# Allegro board RK_EVB1_RK3576_LP4XD200P132SD6_V12_20240530YWQ.brd (continued)
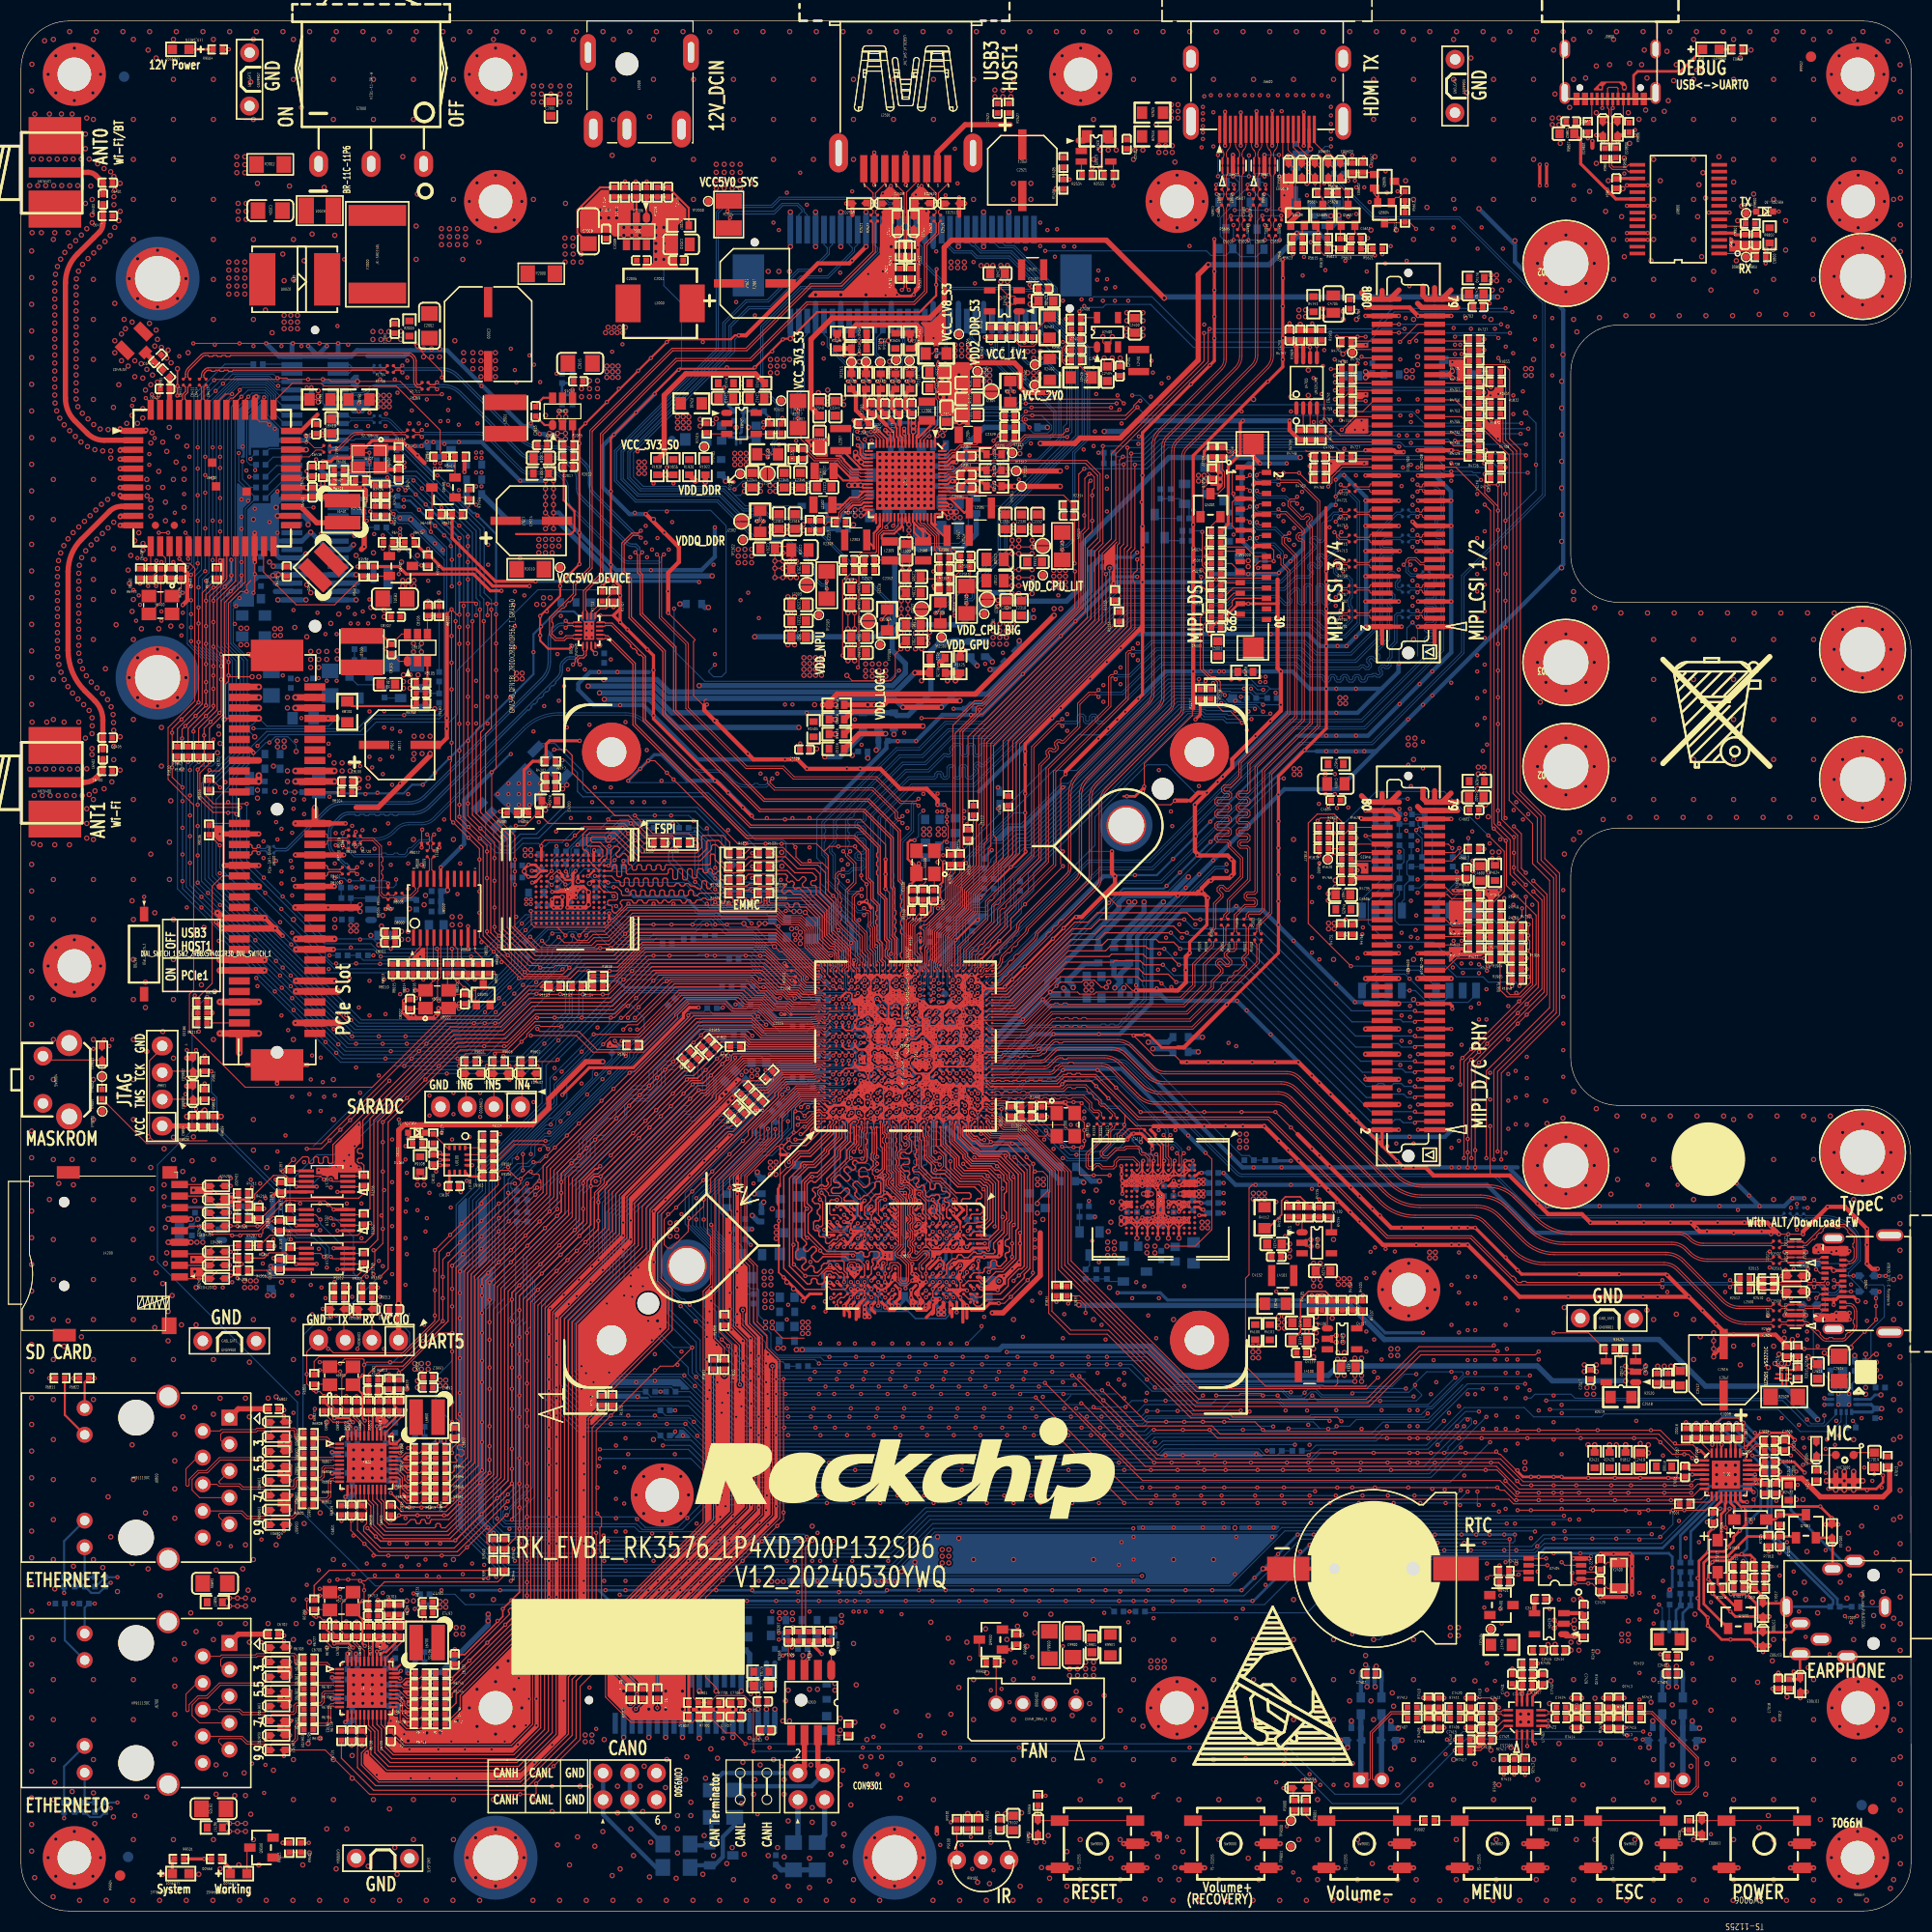
[diagram p0: board, top side]
## Routing (per net, layer and track width the routed paths; a pad name or vN(x,y) marks a point on that pad's centre or on a via; arc(x,y) is an arc through that point) (continued)
  BOTTOM w0.305: v1(106.3,127.07) 103.93,127.07 91.88,115.03 90.41,115.03 89.89,114.51 R1105.1 v1(88.81,114.5) ; R1121.1 91.75,100.33 v1(92.46,101.04) ; v1(133.52,55.06) 129.92,55.06 126.79,58.19 109.19,58.19 108.51,58.87 v1(104.43,58.87) ; v1(86.52,85.62) 86.81,85.91 C1103.1
PMUIO1_VCC: length 264.9
  TOP w0.229: U1000.1U20 v1(86.92,86.85)
  TOP w0.305: R6412.1 37.45,130.34 R6409.1 38.96,129.05 40.2,127.81 43.31,127.81 44.93,126.19 v1(48.43,126.19)
  TOP w0.508: R9100.1 v2(90.16,9.27) ; v2(87.65,114.64) v2(84,114.64)
  L4-SIG w0.178: v1(86.92,86.85) 86.57,87.2 86.57,88.89 86.91,89.23
  L4-SIG w0.305: v1(102.61,138.88) 102.47,138.74 101.24,138.74 100.81,138.31 100.81,135.15 106.3,129.65 v1(106.3,129.38) ; v2(54.01,116.66) 53.97,116.66 53.33,117.29 52.24,117.29 48.34,121.19 48.34,125.08 48.43,125.17 v1(48.43,126.19)
  L4-SIG w0.508: v2(87.65,114.64) 87.65,109.01 91.25,105.4 91.25,98.43 89.52,96.7 89.52,94.55 86.91,91.94 86.91,89.23 ; v2(90.16,9.27) 90.16,13.33 76.75,26.74 76.75,36.39 61.69,51.46 61.69,58.44 59.34,60.79 59.34,70.27 52.12,77.49 52.12,84.57 50.59,86.11 50.59,88.11 49.73,88.97 49.44,88.97 48.7,89.71 48.7,90.9 43.1,96.49 43.1,100.42 44.31,101.63 44.31,106.95 v2(54.01,116.66)
  BOTTOM w0.305: C1106.1 86.89,86.82 v1(86.92,86.85) ; R1139.1 R1138.1 105.85,128.93 v1(106.3,129.38) ; v1(102.61,138.88) R1135.1 R1134.1
  BOTTOM w0.508: v2(87.65,114.64) 88.9,115.9 92.03,115.9 101.89,125.76 R1141.1 101.89,127.96 102.86,128.93 R1139.1 ; v2(84,114.64) 83.15,115.49 61.48,115.49 60.31,116.66 v2(54.01,116.66)
PWM0_CH0_M0_IR: length 170.2
  TOP w0.102: R9101.1 88.81,8.71 v1(88.56,8.45) ; v1(87.41,87.77) U1000.1W22
  L4-SIG w0.102: v1(118.29,114.22) 118.29,82.91 113.77,78.38 113.77,64.9 106.36,57.49 106.36,17.87 96.94,8.45 v1(88.56,8.45)
  BOTTOM w0.102: v1(118.29,114.22) 117.63,114.88 114.95,114.88 114.45,115.39 114.16,115.39 113.96,115.18 110.13,115.18 96.2,101.26 95.53,101.26 93.63,99.37 93.63,96.2 90.78,93.35 C9100.1 90.21,92.99 90.21,92.3 90.05,92.14 87.78,89.86 87.78,88.14 v1(87.41,87.77)
PWM1_CH0_M0_LED: length 28.6
  TOP w0.102: R9502.1 v1(27.42,6.49)
  L4-SIG w0.102: v1(37.51,28.77) 37.51,15.4 28.59,6.49 v1(27.42,6.49)
  BOTTOM w0.102: R1130.2 37.87,29.13 v1(37.51,28.77)
PWM2_CH5_M1_FAN: length 35.7
  TOP w0.102: v1(95.36,26.3) R9902.2 94.28,26.8 Q9900.2 ; R1834.2 v1(98.61,58)
  L4-SIG w0.102: v1(95.36,26.3) 98.61,29.56 v1(98.61,58)
PWRON_L: length 203.3
  TOP w0.102: v1(86.53,140.46) 86.34,140.46 85.99,140.11 U2300.4 ; v1(106.33,143.22) 105.17,142.06 v1(95.69,142.06) ; R9006.1 v1(158.28,7.71)
  L4-SIG w0.102: v1(158.28,7.71) 156.74,7.71 144.9,19.55 144.9,66.28 143.93,67.25 143.93,72.72 144.78,73.56 144.78,104.26 142.09,106.94 142.09,140.89 v1(142.89,141.7)
  BOTTOM w0.102: v1(95.69,142.06) 95.57,141.93 89.76,141.93 89.52,142.18 87.54,142.18 87.11,141.75 C2369.1 86.53,141.17 v1(86.53,140.46) ; v1(106.33,143.22) 107.11,142.44 125.64,142.44 126,142.79 132.53,142.79 133.63,141.7 v1(142.89,141.7)
RESET_L: length 204.7
  TOP w0.102: R9005.1 v1(97.58,10.98) ; U2300.40 83.19,132.06 v1(83.05,131.92) ; v1(101.86,136.22) 101.67,136.02 101.67,131.67 101.15,131.15 101.15,124.05 91.52,114.42 v1(91.31,114.42) 91.31,114.21 89.43,112.33 R1106.2
  L4-SIG w0.102: v1(97.58,10.98) 103.93,17.33 103.93,57 111.11,64.19 111.11,70.95 111.24,71.08 111.24,71.65 111.8,72.21 111.8,78.97 115.36,82.53 115.36,96.46 113.96,97.86 113.96,104.34 115.57,105.95 115.57,111.49 110.14,116.93 110.14,122.02 107.36,124.8 107.36,130.82 101.96,136.22 v1(101.86,136.22) ; v1(83.05,131.92) 83.05,131.31 85.26,129.1 85.26,123.7 87.52,121.44 87.52,119.25 89.45,117.32 89.45,116.28 v1(91.31,114.42)
  BOTTOM w0.102: C2366.1 83.46,131.92 v1(83.05,131.92) ; v1(91.31,114.42) 91.23,114.5 R1105.2
RIN1_ES8388: length 1.6
  TOP w0.203: C7004.1 163.28,44.81 U7000.23
RIN2_ES8388: length 2.8
  TOP w0.102: U7000.21 164.24,43.1 164.24,43.24 165.27,44.27 165.64,44.27 C7006.1
RSET0: length 4.3
  TOP w0.102: R6727.2 28.88,25.84 29.63,25.09 31.12,25.09 31.5,24.71 U6700.39
RSET1: length 4.3
  TOP w0.102: U6800.39 31.5,46.17 31.12,46.55 29.73,46.55 28.88,47.4 R6827.2
RTC_INT_L: length 197.9
  TOP w0.102: R1110.2 88.76,100.78 88.76,112.92 90.81,114.98 91.5,114.98 100.74,124.21 100.74,136.84 v1(101.26,137.36) ; v1(146.73,33.22) 147.02,32.93 U2405.3
  L4-SIG w0.102: v1(146.73,33.22) 146.32,33.63 146.32,64.08 151.5,69.26 151.5,73.28 146.22,78.56 146.22,104.85 143.5,107.57 v1(143.5,136.98)
  BOTTOM w0.102: v1(143.5,136.98) 141.14,136.98 139.87,138.24 135.81,138.24 135.45,138.6 126.05,138.6 125.26,139.39 109.26,139.39 107.23,137.36 v1(101.26,137.36)
SAI1_LRCK_M0: length 123
  TOP w0.102: U7000.7 159.94,40.21 159.21,39.48 142.37,39.48 140.86,40.99 106.82,40.99 v1(97.52,50.3)
  BOTTOM w0.102: v1(97.52,50.3) 71.58,50.3 66.64,55.23 66.64,62.63 63.96,65.3 63.96,68.07 69.95,74.05 R1806.2
SAI1_MCLK_M0: length 126.3
  TOP w0.102: v1(102.96,49.59) 106.35,46.2 113.43,46.2 114.21,45.41 156,45.41 157.55,43.85 158.95,43.85 159.89,42.91 U7000.1
  BOTTOM w0.102: v1(102.96,49.59) 71.07,49.59 66.23,54.43 66.23,57.07 65.38,57.93 65.38,58.42 66.23,59.28 66.23,62.46 63.26,65.43 63.26,68.37 71.12,76.23 R1802.2
SAI1_SCLK_M0: length 123.3
  TOP w0.102: U7000.5 159.44,41.11 159.22,40.89 143.07,40.89 140.9,43.06 108.16,43.06 100.22,51 v1(100.12,51)
  BOTTOM w0.102: R1803.2 71.48,74.77 71.48,74.31 70.69,73.51 70.23,73.51 64.67,67.95 64.67,65.17 67.1,62.75 67.1,56.44 69.9,53.63 69.9,52.64 71.54,51 v1(100.12,51)
SAI1_SDI0_M0: length 96.6
  TOP w0.102: v1(96.65,48.91) 106.34,39.22 107.84,39.22 141.71,39.22 142.15,38.78 R7001.1 ; R1810.2 v1(66.99,51.01)
  BOTTOM w0.102: v1(66.99,51.01) 68.38,51.01 70.5,48.89 96.29,48.89 96.31,48.91 v1(96.65,48.91)
SAI1_SDO0_M0: length 102.5
  TOP w0.102: U7000.6 159.69,40.66 159.22,40.19 142.67,40.19 140.5,42.36 107.06,42.36 101.07,48.35 v1(100.98,48.35) ; v1(68.47,50.14) 68.42,50.19 68.42,53.89 66.99,55.31 R1808.2
  BOTTOM w0.102: v1(100.98,48.35) 100.85,48.22 70.38,48.22 v1(68.47,50.14)
SAI2_LRCK_M0: length 20.6
  TOP w0.102: R1822.2 16.92,110.9 16.92,112.62 18.67,114.38 18.67,124.9 20.45,126.67 U6400.21
SAI2_LRCK_M0_CON: length 43.5
  BOTTOM w0.102: CON6500.53 25.78,145.64 24.18,145.64 23.65,146.17 20.44,146.17 17.9,143.63 17.9,127.46 17.26,126.82 17.26,120.4 18.71,118.95 18.71,114.41 16.93,112.64 R1855.2
SAI2_SCLK_M0: length 20.5
  TOP w0.102: R1821.2 17.95,112.65 19.26,113.97 19.26,116.92 19.41,117.07 19.41,124.64 21.35,126.58 U6400.22
SAI2_SCLK_M0_CON: length 42.7
  BOTTOM w0.102: R1854.2 17.95,112.65 19.41,114.12 19.41,118.82 17.97,120.26 17.97,126.52 18.61,127.16 18.61,143.76 20.61,145.77 23.48,145.77 24.38,144.87 CON6500.51
SAI2_SDI_M0: length 17.6
  TOP w0.102: R1842.2 14.9,112.6 17.26,114.96 17.26,125.54 R6401.1
SAI2_SDI_M0_CON: length 42.2
  BOTTOM w0.102: R1856.2 14.9,112.6 17.27,114.96 17.27,119.24 15.84,120.67 15.84,127.41 16.48,128.04 16.48,144.38 19.42,147.32 R6500.2
SAI2_SDO_M0: length 20.6
  TOP w0.102: R1820.2 15.92,112.62 17.97,114.67 17.97,125.19 19.55,126.77 U6400.20
SAI2_SDO_M0_CON: length 44.5
  BOTTOM w0.102: CON6500.55 25.81,146.47 25.7,146.58 19.8,146.58 17.19,143.96 17.19,127.75 16.55,127.12 16.55,120.53 17.97,119.11 17.97,114.67 15.92,112.62 R1853.2
SAI4_LRCK_M2: length 7.7
  BOTTOM w0.102: R4743.1 134.41,102.81 134.41,98.62 133.22,97.44 R1841.2
SAI4_LRCK_M2_DCPHY: length 1
  BOTTOM w0.102: R4622.1 R1840.2
SAI4_MCLK_M2: length 48.4
  TOP w0.102: v1(125.46,148.92) 125.46,149.1 R4745.1 ; R1829.2 v1(124.52,103.75)
  L4-SIG w0.102: v1(124.52,103.75) 127.5,106.72 127.5,141.35 125.83,143.01 125.83,146.31 125.46,146.69 v1(125.46,148.92)
SAI4_MCLK_M2_DCPHY: length 1.3
  TOP w0.102: R4620.2 R1828.2
SAI4_SCLK_M2: length 19
  TOP w0.102: R4746.1 139.57,90.33 139.57,89.6 v1(139.61,89.55)
  BOTTOM w0.102: R1852.2 129.54,97.44 128.31,96.21 128.31,94.05 130.09,92.27 134.53,92.27 137.07,89.73 139.43,89.73 v1(139.61,89.55)
SAI4_SCLK_M2_DCPHY: length 1.1
  BOTTOM w0.102: R1850.2 R4621.2
SAI4_SDI_M2: length 12.9
  TOP w0.102: R4749.1 v1(139.52,94.22)
  BOTTOM w0.102: R1847.2 131.27,96.76 130.85,96.34 130.85,94.32 131.25,93.92 139.23,93.92 v1(139.52,94.22)
SAI4_SDI_M2_DCPHY: length 5.6
  TOP w0.102: R4623.2 v1(127.2,102.19)
  L4-SIG w0.102: v1(127.2,102.19) 128.5,100.88 v1(131.27,100.88)
  BOTTOM w0.102: R1844.2 v1(131.27,100.88)
SARADC_AVDD1V8: length 113.6
  TOP w0.203: U1000.2A10 80.26,84.56 v1(79.99,84.56)
  TOP w0.254: R1104.1 v1(53.99,88.08) R1102.1
  L4-SIG w0.178: 76.54,84.85 76.87,84.85 77.49,84.23 79.67,84.23 v1(79.99,84.56)
  L4-SIG w0.254: v1(53.99,88.08) 54.52,88.62 54.52,92.15 57.19,94.81 57.19,96.72 v1(57.7,97.23)
  L4-SIG w0.508: v2(69.88,121.36) 69.88,104.86 70.27,104.47 70.27,96.62 69.59,95.93 v1(69.59,94.05) 69.59,90.93 73.05,87.47 73.92,87.47 76.54,84.85
  BOTTOM w0.254: v1(57.7,97.23) 58.33,96.59 63.17,96.59 64.53,95.24 66.16,95.24 66.83,94.56 69.08,94.56 v1(69.59,94.05) ; R9600.1 66.65,87.96 57.49,87.96 56.88,88.57 54.48,88.57 v1(53.99,88.08)
  BOTTOM w0.305: C1116.1 79.73,84.23 79.99,84.48 v1(79.99,84.56)
  BOTTOM w0.508: R1147.1 90.97,131.14 89.58,129.74 84.75,129.74 83.21,128.2 83.21,122.87 81.7,121.36 v2(69.88,121.36)
SARADC_VIN0_BOOT: length 79.7
  TOP w0.102: R9004.1 11.97,73.09 28.6,73.09 40.43,84.91 45.56,84.91 48.36,87.71 49.69,87.71 49.82,87.57 50.75,87.57 R1103.1 R1102.2 52.9,87.66 56,87.66 56.78,88.44 56.78,88.62 59.51,91.34 70.85,91.34 71.67,90.53 73.2,89 73.75,89 C1108.1 74.06,88.69 74.06,88.57 74.68,87.94 75.92,87.94 U1000.A25
SARADC_VIN1_KEY/RECOVERY: length 182.8
  TOP w0.102: R1104.2 55.89,88.08 v1(55.93,88.12) 59.4,91.59 70.89,91.59 72.93,89.55 C1109.1 73.73,89.55 74.31,88.97 74.31,88.6 74.77,88.14 76.67,88.14 U1000.1A22 ; v1(120.24,11.7) ED9000.1 121.16,10.65 R9000.1 R9001.1
  L4-SIG w0.102: v1(120.24,11.7) 113.41,11.7 106.77,18.35 v1(106.77,31.91)
  BOTTOM w0.102: v1(106.77,31.91) 46.01,31.91 41.44,36.48 41.44,67.25 43.32,69.13 43.32,70.66 49.62,76.97 49.62,80.77 55.93,87.08 v1(55.93,88.12)
SARADC_VIN2_HW_ID: length 11.2
  TOP w0.102: U1000.1B19 v1(77.64,86.4)
  BOTTOM w0.102: v1(77.64,86.4) 77.52,86.28 75.23,86.28 75.03,86.49 C1110.1 73.6,86.49 72.46,87.63 69.24,87.63 R9601.1 R9600.2
SARADC_VIN3_HP_HOOK: length 213.1
  TOP w0.102: v1(78.24,86.4) U1000.1C19
  TOP w0.254: R7009.2 C7017.1 R7011.1 v1(166.66,32.81)
  L4-SIG w0.102: v1(156.38,36.52) 160.47,32.43 166.28,32.43 v1(166.66,32.81)
  BOTTOM w0.102: v1(78.24,86.4) 78.57,86.08 C1111.1 78.45,85.92 78.27,85.92 78.12,86.07 73.68,86.07 72.33,87.43 69.02,87.43 68.8,87.65 57.14,87.65 50.01,80.52 50.01,76.97 43.65,70.61 43.65,68.83 42.66,67.84 42.66,61.49 42.3,61.13 42.3,36.08 46.13,32.26 83.2,32.26 87.03,36.09 119.63,36.09 120.06,36.52 v1(156.38,36.52)
SARADC_VIN4: length 34.7
  TOP w0.102: R9602.1 50.94,80.9 v1(51.11,81.08) ; U1000.1E18 v1(79.14,85.07)
  BOTTOM w0.102: v1(51.11,81.08) 57.48,87.45 68.71,87.45 68.94,87.22 71.52,87.22 72.15,86.6 72.86,86.6 73.59,85.87 77.95,85.87 78.38,85.44 C1112.1 79.14,85.16 v1(79.14,85.07)
SARADC_VIN4_C: length 4.4
  TOP w0.102: CON9600.1 47.7,76.72 ED9602.1 R9602.2
SARADC_VIN5: length 41.2
  TOP w0.102: U1000.1D19 v1(78.84,86.4) ; R9603.1 v1(45.94,81.43)
  BOTTOM w0.102: v1(78.84,86.4) 79.03,86.59 C1113.1 79.03,86.85 78.43,87.45 75.86,87.45 75.22,88.08 74.8,88.08 73.6,89.28 70.43,89.28 69.48,90.24 53.74,90.24 51.86,88.35 51.86,85.62 47.66,81.43 v1(45.94,81.43)
SARADC_VIN5_C: length 4.3
  TOP w0.102: CON9600.2 ED9601.1 R9603.2
SARADC_VIN6: length 42.4
  TOP w0.102: R9604.1 v1(43.78,80.9) ; U1000.1D21 v1(78.54,86.87)
  BOTTOM w0.102: v1(43.78,80.9) 47.64,80.9 52.23,85.49 52.23,88.21 53.9,89.88 69.55,89.88 70.36,89.07 73.52,89.07 73.77,88.82 73.77,88.61 C1114.1 74.68,87.7 75.1,87.7 75.58,87.21 78.19,87.21 v1(78.54,86.87)
SARADC_VIN6_C: length 4.4
  TOP w0.102: CON9600.3 42.37,76.72 ED9600.1 R9604.2
SARADC_VIN7_LCD_ID: length 245.7
  TOP w0.089: U1000.1E19 79.17,85.7 76.99,85.7 76.69,85.4 75.73,85.4 75.48,85.4
  TOP w0.102: v1(54.55,83.49) 58.83,83.49 62.75,87.42 68.65,87.42 69.3,86.77 70.54,86.77 71.54,85.78 72.82,85.78 73.21,85.39 C1115.1 75.47,85.39 75.48,85.4 ; R5012.1 v1(112.85,128.33)
  L4-SIG w0.102: v1(105.93,36.44) 105.93,57.42 113.41,64.9 113.41,78.53 117.94,83.06 117.94,116.61 117.26,117.29 117.26,118.56 116.88,118.94 116.88,122.35 113.2,126.04 113.2,127.98 v1(112.85,128.33)
  BOTTOM w0.102: v1(54.55,83.49) 50.39,79.33 50.39,76.97 43.93,70.51 43.93,68.6 43.02,67.69 43.02,61.34 42.59,60.9 42.59,36.3 46.27,32.62 83.05,32.62 86.88,36.44 v1(105.93,36.44)
SD_CMD: length 6.1
  TOP w0.114: R4207.2 18.39,63.38 18.06,63.05 ED4205.1 17.89,62.59 J4200.3
SD_D0: length 6.1
  TOP w0.114: R4209.2 18.45,65.99 18.06,66.38 ED4203.1 17.56,66.99 J4200.7
SD_D1: length 6
  TOP w0.114: J4200.8 17.73,68.09 ED4202.1 18.06,67.7 18.6,67.16 R4210.2
SD_D2: length 6
  TOP w0.114: J4200.1 15.28,60.22 ED4207.1 18.06,60.32 18.75,61.01 R4208.2
SD_D3: length 5.9
  TOP w0.114: J4200.2 ED4206.1 18.06,61.59 18.66,62.19 R4206.2
SD_DET: length 6
  TOP w0.114: J4200.9 17.9,69.19 ED4201.1 18.06,68.92 18.63,68.35 R4211.2
SDIO_CMD_CON: length 3.9
  BOTTOM w0.102: CON6500.28 30.21,135.27 32.35,135.27 32.81,134.82 R6509.2
SDIO_D0_CON: length 3.7
  BOTTOM w0.102: CON6500.38 30.21,139.27
  BOTTOM w0.114: R6506.2 33.8,139.27 30.21,139.27
SDIO_D1_CON: length 3.7
  BOTTOM w0.102: CON6500.40 30.21,140.07
  BOTTOM w0.114: 30.21,140.07 31.71,140.07 31.84,140.2 R6505.2
SDIO_D2_CON: length 3.8
  BOTTOM w0.102: CON6500.36 30.21,138.47
  BOTTOM w0.114: 30.21,138.47 33.58,138.47 R6507.2
SDIO_D3_CON: length 3.9
  BOTTOM w0.102: CON6500.34 30.21,137.67
  BOTTOM w0.114: 30.21,137.67 32.49,137.67 32.81,137.36 33.68,137.36 R6508.2
SDMMC0_CLK: length 13.2
  TOP w0.114: U1302.8 25.77,65.8 R1363.2 25.44,66.14 23.98,66.14 22.62,64.77 18.45,64.77 18.06,65.16 ED4204.1 16.04,65.22 15.61,64.79 J4200.5
SDMMC0_CLK/UART5_TX_M2/I2C5_SCL_M0: length 65.2
  TOP w0.102: U1302.6 R1363.1 25.61,66.86 v1(25.61,67.32)
  BOTTOM w0.114: v1(25.61,67.32) 25.61,69.46 28.17,72.02 29.82,72.02 37.93,80.12 47.88,80.12 53.13,85.37 53.13,88.02 54.27,89.17 69.44,89.17 70.25,88.36 72.66,88.36 73.68,87.34 74.82,87.34 75.38,86.79 R1353.2
SDMMC0_CMD: length 13.7
  TOP w0.114: R4207.1 R1361.2 23.71,64.36 32.07,64.36 32.66,64.95 R1362.2 32.56,65.3 U1302.2
SDMMC0_CMD/UART5_RX_M2/I2C5_SDA_M0: length 62
  TOP w0.089: 75.61,87.3 75.69,87.22 76.26,87.22 76.43,87.05 76.92,87.05 U1000.1A21
  TOP w0.102: U1302.4 R1362.1
  TOP w0.114: 75.61,87.3 74.42,87.3 74.01,87.71 73.23,87.71 72.74,88.21 72.41,88.21 70.69,89.93 60.08,89.93 56.33,86.18 48.72,86.18 46,83.46 41.22,83.46 33.24,75.47 33.24,66.88 R1362.1
SDMMC0_D0: length 14.3
  TOP w0.114: R4209.1 R1360.2 22.91,65.99 24.81,67.89 32.17,67.89 32.68,68.4 32.68,69.06 R1356.2 32.56,68.99 U1301.2
SDMMC0_D0/CAN0_RX_M0: length 59.8
  TOP w0.089: U1000.B24 76.45,87.41 75.78,87.41 75.68,87.51
  TOP w0.114: 75.68,87.51 74.51,87.51 74.1,87.93 73.32,87.93 72.79,88.46 72.64,88.46 70.83,90.28 59.94,90.28 56.21,86.55 48.56,86.55 45.84,83.83 41.07,83.83 32.55,75.31 32.55,72.72 32.44,72.61 32.16,72.61 32.04,72.5 32.04,72.27 32.16,72.15 32.44,72.15 32.55,72.04 32.55,71.81 32.44,71.7 32.16,71.7 32.04,71.58 32.04,71.35 32.16,71.24 32.44,71.24 32.66,71.02 R1356.1 U1301.4
SDMMC0_D1: length 7.3
  TOP w0.114: U1301.8 25.77,69.49 R1357.2 25.21,70.05 24.04,70.05 22.27,68.27 22.27,67.83 R4210.1
SDMMC0_D1/CAN0_TX_M0: length 65.9
  TOP w0.089: U1000.B25 76.27,87.6 75.88,87.6 75.75,87.73 75.73,87.73
  TOP w0.114: 75.73,87.73 74.6,87.73 74.19,88.14 73.41,88.14 70.94,90.62 59.79,90.62 56.11,86.94 48.43,86.94 45.69,84.2 40.92,84.2 29.7,72.98 29.7,71.31 29.59,71.19 29.36,71.19 29.25,71.31 29.25,71.71 29.13,71.83 28.9,71.83 28.79,71.71 28.79,71.31 28.67,71.19 28.45,71.19 28.33,71.31 28.33,71.71 28.22,71.83 27.99,71.83 27.87,71.71 27.87,71.31 27.76,71.19 27.53,71.19 27.42,71.31 27.42,71.71 27.3,71.83 26.84,71.83 25.67,70.66 R1357.1 U1301.6
SDMMC0_D2: length 13.7
  TOP w0.114: R4208.1 23.43,61.01 23.92,60.52 32.04,60.52 32.66,61.14 R1358.2 32.56,61.62 U1300.2
SDMMC0_D2/JTAG_TCK_M0: length 63.6
  TOP w0.114: U1300.4 R1358.1 33.97,63.93 33.97,75.17 41.53,82.72 46.3,82.72 49.02,85.44 56.56,85.44 60.47,89.35 70.41,89.35 72.05,87.72 72.62,87.72 73.06,87.28 73.83,87.28 74.3,86.81 75.95,86.81 U1000.A23
SDMMC0_D3: length 6
  TOP w0.114: U1300.8 25.77,62.12 R1359.2 25.21,62.68 23.66,62.68 23.16,62.18 21.61,62.18 R4206.1
SDMMC0_D3/JTAG_TMS_M0: length 71
  TOP w0.089: U1000.B23 76.38,86.77 76.11,87.04 75.74,87.04 75.73,87.02
  TOP w0.114: 75.73,87.02 74.39,87.02 73.92,87.49 73.15,87.49 72.68,87.96 72.2,87.96 70.57,89.59 60.22,89.59 56.44,85.81 48.87,85.81 46.15,83.09 41.37,83.09 33.6,75.32 33.6,64.5 32.81,63.7 25.95,63.7 25.67,63.42 R1359.1 U1300.6
SDMMC0_DET_L: length 220.8
  TOP w0.114: U1302.1 v1(30.14,64.8) ; U1300.1 v1(30.14,61.12) ; R4211.1 21.6,68.49 v1(22.01,68.91) ; U1301.1 v1(30.14,68.49)
  L4-SIG w0.091: v1(30.14,61.12) 34.12,61.12 51.27,43.96 v1(55.13,43.96) ; v1(106.77,40.33) 106.72,40.38 106.72,57.48 114.19,64.95 114.19,78.32 118.64,82.77 118.64,115.02 118.3,115.36 v1(118.3,116.3)
  L4-SIG w0.114: v1(30.14,61.12) v1(30.14,64.8) v1(30.14,68.49) 22.43,68.49 v1(22.01,68.91)
  BOTTOM w0.114: R1117.2 R1121.2 92.37,99.93 92.37,100.14 94.79,102.56 95.77,102.56 109.64,116.43 113.6,116.43 113.95,116.77 117.29,116.77 117.76,116.3 v1(118.3,116.3) ; v1(106.77,40.33) 67.19,40.33 63.56,43.96 v1(55.13,43.96)
SDMMC0_PWREN_H: length 315.5
  TOP w0.089: 88.24,90.5 88.24,90.31 88.19,90.26 88.19,89.8 88.36,89.63 88.36,89.05 U1000.1Y24
  TOP w0.102: v1(105.73,138.81) 105.73,129.89 105.36,129.52 105.36,122.33 94.45,111.42 94.45,100.63 90.66,96.85 90.66,95.21 88.24,92.79 88.24,90.5
  L4-SIG w0.102: v1(123.24,39.98) 123.76,40.5 123.76,56.85 124.38,57.48 124.38,60.91 127.04,63.57 127.04,68.4 127.68,69.03 127.68,92.01 132.53,96.86 132.53,104.24 132.88,104.59 132.88,105.61 130.5,107.99 130.5,139.8 v1(131.23,140.53) ; v1(13.63,67.12) 16.81,67.12 27.73,56.21 37.51,56.21 50.61,43.1 v1(55.13,43.1)
  BOTTOM w0.102: v1(123.24,39.98) 66.91,39.98 63.78,43.1 v1(55.13,43.1) ; v1(131.23,140.53) 131.2,140.51 108.28,140.51 106.59,138.81 v1(105.73,138.81) ; R4201.1 v1(13.63,67.12)
SDMMC1_CLK_M0: length 87.5
  TOP w0.114: v1(42.15,124.3) 42.15,104.2 44.74,101.62 44.74,93.17 48.41,89.49 51.38,89.49 v1(51.58,89.69)
  BOTTOM w0.114: v1(42.15,124.3) 42.15,130.94 37.02,136.07 30.21,136.07 CON6500.30 ; R1813.2 75.16,89.9 70.97,89.9 69.52,91.35 53.23,91.35 51.58,89.7 v1(51.58,89.69)
SDMMC1_CMD_M0: length 84.2
  TOP w0.102: U1000.B26 76.41,88.42 76.14,88.69 75.86,88.69
  TOP w0.114: v1(41.39,122.84) 41.39,103.95 44.02,101.32 44.02,92.87 47.88,89 52.05,89 52.93,89.89 56.82,89.89 59.18,92.25 71.93,92.25 75.47,88.71 75.85,88.71 75.86,88.69
  BOTTOM w0.114: v1(41.39,122.84) 41.39,130.53 37.17,134.75 R6503.2 34.85,134.75 R6509.1
SDMMC1_D0_M0: length 84.5
  TOP w0.114: v1(44.08,122.84) 44.08,112.56 43.78,112.26 43.78,104.64 46.3,102.11 46.3,93.66 48.98,90.98 56.46,90.98 58.64,93.16 71.93,93.16 75.11,89.99 75.11,89.98 75.57,89.52 U1000.A28
  BOTTOM w0.114: R6506.1 34.83,139.14 R6504.2 36.15,139.14 43.73,131.57 43.73,125.29 44.08,124.95 v1(44.08,122.84)
SDMMC1_D1_M0: length 86.1
  TOP w0.089: U1000.B27 76.54,89.14 76.27,89.41 76.27,89.61 76.09,89.8 75.87,89.8
  TOP w0.114: 75.87,89.8 75.59,89.8 75.32,90.07 75.32,90.08 71.91,93.49 58.48,93.49 56.34,91.35 49.13,91.35 46.67,93.81 46.67,102.26 44.24,104.7 44.24,112.09 44.79,112.64 v1(44.79,123.95)
  BOTTOM w0.114: R6505.1 35.62,140.2 44.11,131.71 44.11,125.55 44.79,124.86 v1(44.79,123.95)
SDMMC1_D2_M0: length 85.9
  TOP w0.089: U1000.1A23 76.71,88.7 76.43,88.7 76.26,88.87 76.26,89.08 76.1,89.24 75.86,89.24
  TOP w0.114: v1(43.71,123.95) 43.71,112.83 43.35,112.47 43.35,104.54 45.94,101.95 45.94,93.5 48.82,90.61 56.57,90.61 58.86,92.9 71.89,92.9 74.89,89.89 74.89,89.89 75.55,89.24 75.86,89.24
  BOTTOM w0.114: R6507.1 35.85,137.1 37.67,137.1 43.35,131.43 43.35,125.04 43.71,124.68 v1(43.71,123.95)
SDMMC1_D3_M0: length 83.8
  TOP w0.114: v1(42.99,122.83) 42.99,104.38 45.57,101.8 45.57,93.35 48.66,90.25 56.7,90.25 59,92.56 71.92,92.56 74.68,89.8 75.51,88.97 U1000.A27
  BOTTOM w0.114: R6508.1 35.28,136.66 37.6,136.66 42.99,131.27 v1(42.99,122.83)
SPDIF_RX1_M1_DCPHY: length 37.2
  TOP w0.102: R4628.2 125.78,103.75 125.07,104.47 123.45,104.47 122.6,103.61 122.6,94.05 v1(126.66,89.99) ; v1(142.7,88.1) 142.7,88.5 R1948.2
  BOTTOM w0.102: v1(142.7,88.1) 142.34,88.46 139.74,88.46 139.23,88.97 136.69,88.97 135.68,89.99 v1(126.66,89.99)
SPDIF_RX1_M1_DPHY: length 1
  TOP w0.102: R4751.1 R1906.2
SPK_CTL_H: length 178.5
  L3-POWER w0.102: v1(156,29.18) 155.92,29.26 139.93,29.26 139.92,29.25 126.76,29.25 v1(126.69,29.18)
  L4-SIG w0.102: v1(126.69,38.4) v1(126.69,29.18)
  BOTTOM w0.102: U7400.1 127.62,28.86 R7400.1 v1(126.69,29.18) ; v1(126.69,38.4) 86.13,38.4 82.54,34.81 54.9,34.81 54.05,35.66 45.86,35.66 44.26,37.26 44.26,57.24 45.14,58.12 45.14,70.29 50.36,75.51 50.6,75.51 54.43,79.34 54.43,79.98 54.78,80.34 55.42,80.34 56.27,81.19 R1908.2 ; U7401.1 156.32,28.86 v1(156,29.18)
TP_INT_L: length 55.7
  TOP w0.102: R5016.1 112.31,123.21 112.31,118.27 113.28,117.3 113.68,117.3 113.95,117.04 113.95,114.76 114.47,114.24 115.21,114.24 v1(116.29,113.16) ; U1000.1AA22 v1(89.34,87.47)
  BOTTOM w0.102: v1(116.29,113.16) 114.79,113.16 114.47,113.48 112.56,113.48 112.21,113.83 111.36,113.83 96.43,98.9 96.43,97.21 95.27,96.04 95.27,95.03 91.37,91.13 90.77,91.13 89.28,89.64 89.28,89.11 89.67,88.71 89.67,87.8 v1(89.34,87.47)
TP_RST_L: length 51.8
  TOP w0.102: v1(87.41,88.37) U1000.1W23 ; v1(114.65,115.8) 114.21,116.23 114.21,117.06 113.73,117.55 113.32,117.55 112.59,118.28 112.59,122.47 R5017.2
  BOTTOM w0.102: v1(114.65,115.8) 114.17,115.8 113.86,115.49 110.05,115.49 arc(110,115.48) 109.96,115.45 96.09,101.58 arc(96.05,101.55) 96,101.54 95.32,101.54 arc(95.27,101.53) 95.23,101.51 93.36,99.64 arc(93.34,99.6) 93.33,99.55 93.33,96.46 92.06,95.19 90.72,95.19 89.96,94.43 89.96,92.39 arc(89.95,92.34) 89.92,92.3 87.44,89.82 arc(87.42,89.78) 87.41,89.73 v1(87.41,88.37)
TSADC_CTRL_M0: length 4.6
  TOP w0.089: 85.61,90.5 85.61,89.14 U1000.1R24
  TOP w0.102: 85.61,90.5 85.61,91.03 85.33,91.32 85.33,92.98 85.47,93.12 R1107.2
TVSS: length 0.9
  TOP w0.229: v1(84.53,84.95) 84.58,84.95 U1000.2H10
  BOTTOM w0.305: v1(84.53,84.95) 84.57,84.95 R1108.1
TYPEC_CC1: length 11.3
  TOP w0.102: J2500.A5 171.35,58.75 v1(170.99,58.38)
  BOTTOM w0.102: v1(170.99,58.38) 170.96,58.35 ED2501.1 170.7,57.49 170.7,52.13 C2507.1 172.84,49.99 U2500.11 172.38,49.48 U2500.10
TYPEC_CC2: length 16.6
  TOP w0.102: J2500.B5 v1(174.52,60.5)
  BOTTOM w0.102: U2500.1 174.34,49.69 U2500.14 174.34,50.21 C2506.1 176.09,51.48 176.19,51.59 176.19,51.73 176.19,55.32 177.46,56.59 177.46,59.51 177.33,59.63 175.68,59.63 175.15,60.16 ED2502.1 v1(174.52,60.5)
TYPEC_DM: length 11.1
  TOP w0.107: J2500.B7 173.28,59.5 173.14,59.64 172.88,59.64 v1(172.66,59.42) ; J2500.A7 171.81,59.97 171.7,59.86 171,59.86 v1(170.78,60.08) 170.56,59.86 170.19,59.86 ED2506.1 169.56,59.97 169.45,59.86 167.45,59.86 167.29,60.02 L2500.1
  BOTTOM w0.107: v1(172.66,59.42) 172.85,59.61 173,59.61 173.18,59.42 173.18,59.27 172.78,58.87 172.25,58.87 171.27,59.86 171,59.86 v1(170.78,60.08)
TYPEC_DP: length 11.8
  TOP w0.107: J2500.A6 171.81,59.53 171.7,59.64 171,59.64 v1(170.78,59.42) 170.56,59.64 170.19,59.64 ED2504.1 169.56,59.53 169.45,59.64 167.4,59.64 167.24,59.47 L2500.3 ; J2500.B6 173.25,60 173.11,59.86 172.88,59.86 v1(172.66,60.08)
  BOTTOM w0.107: v1(172.66,60.08) 172.91,59.83 173.09,59.83 173.4,59.51 173.4,59.18 172.88,58.65 172.16,58.65 171.17,59.63 171,59.63 v1(170.78,59.42)
TYPEC_DPTX_AUX_PUPDCTL1: length 225.4
  TOP w0.089: U1000.B22 76.45,86.31 75.71,86.31 75.66,86.35
  TOP w0.102: v1(58.46,85.06) 58.5,85.06 61.96,88.51 69.53,88.51 70.41,87.63 70.98,87.63 72.01,86.6 73.21,86.6 73.46,86.35 75.66,86.35
  L4-SIG w0.102: v1(169.14,64.89) 166.46,64.89 165.52,63.95 158.57,63.95 147.51,52.89 v1(147.51,37.28)
  BOTTOM w0.102: v1(58.46,85.06) 58.06,84.65 57.06,84.65 51.02,78.61 51.02,76.84 44.57,70.38 44.57,61.87 43.09,60.4 43.09,36.8 46.19,33.71 83.01,33.71 86.58,37.28 v1(147.51,37.28) ; R2500.1 v1(169.14,64.89)
TYPEC_DPTX_AUX_PUPDCTL2: length 224.6
  TOP w0.089: 75.61,85.12 75.71,85.21 76.45,85.21 U1000.B20
  TOP w0.102: v1(55.44,82.54) 56.14,83.24 58.93,83.24 62.92,87.22 68.47,87.22 69.12,86.57 70.46,86.57 71.96,85.07 75.2,85.07 75.25,85.12 75.61,85.12
  L4-SIG w0.102: v1(146.95,37.64) 147.11,37.79 147.11,52.99 158.35,64.23 164.66,64.23 167.77,67.35 v1(169.13,67.35)
  BOTTOM w0.102: R2502.1 v1(169.13,67.35) ; v1(146.95,37.64) 86.44,37.64 82.86,34.07 46.33,34.07 43.32,37.08 43.32,60.12 44.87,61.67 44.87,70.31 50.33,75.76 50.33,75.76 51.98,77.41 51.98,79.08 v1(55.44,82.54)
TYPEC_RX1N: length 12.1
  TOP w0.098: R2505.2 167.67,55.87 168.12,55.87 168.24,55.75 ED2505.10 ED2505.1 169.71,55.75 169.85,55.89 170.07,55.89 171.53,54.43 arc(171.71,54.31) 171.92,54.27 173.46,54.27 arc(173.64,54.31) 173.79,54.41 174.62,55.24 174.66,55.27 arc(174.79,55.47) 174.83,55.7 174.83,57.08 arc(174.77,57.39) 174.59,57.66 174.55,57.7 arc(174.37,57.82) 174.16,57.86 173.88,57.86 173.74,58 J2500.B10
